# KiCad board led_mapper_850.kicad_pcb (continued)
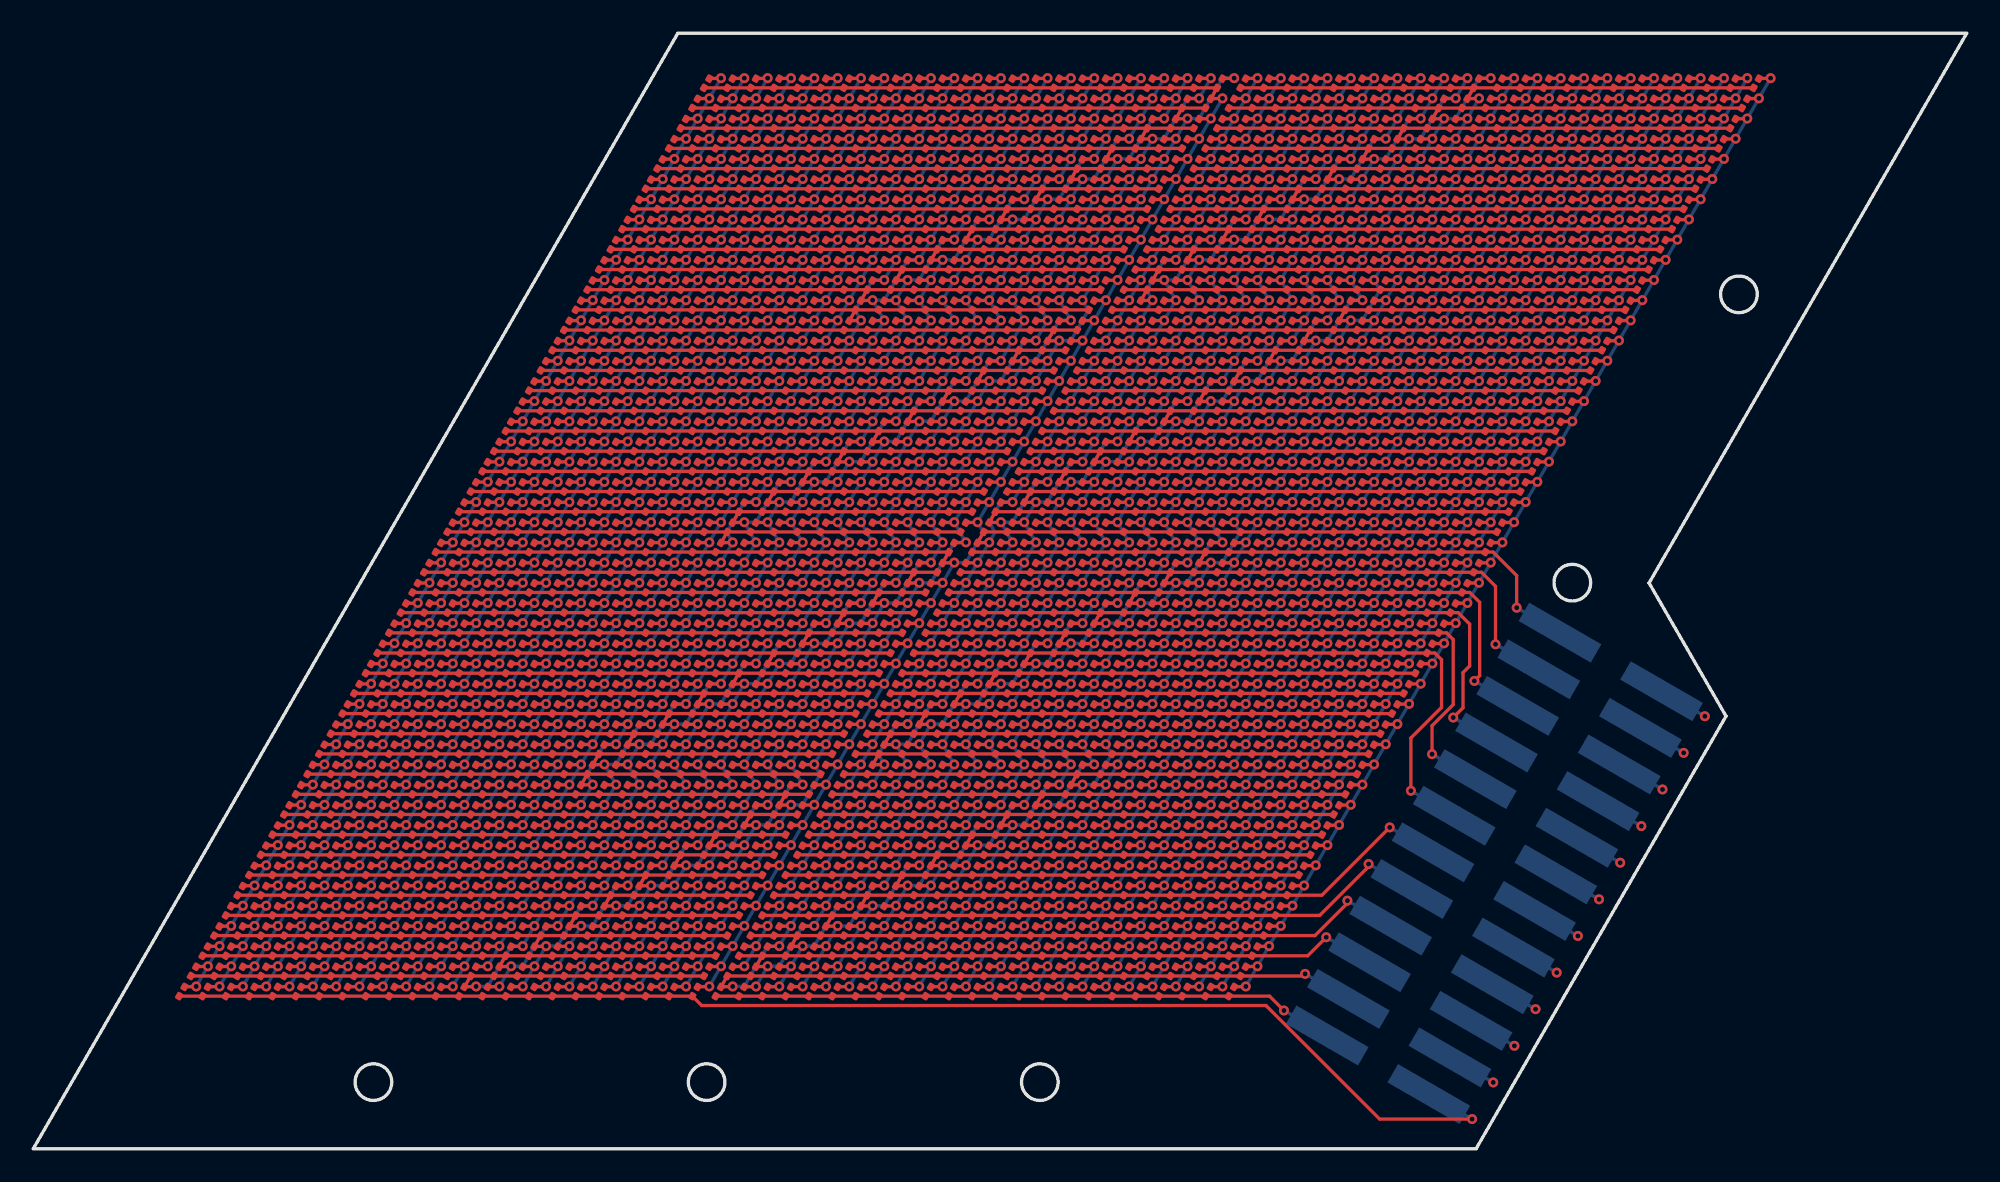
[diagram p0: board, top side]
## Placement (name value [footprint] x y rotation side) (continued)
D316  LED  [LED_0201_0603Metric_XINGLIGHT]  90.81 56.73 60 top
D317  LED  [LED_0201_0603Metric_XINGLIGHT]  92.21 56.73 60 top
D318  LED  [LED_0201_0603Metric_XINGLIGHT]  93.61 56.73 60 top
D319  LED  [LED_0201_0603Metric_XINGLIGHT]  95.01 56.73 60 top
D320  LED  [LED_0201_0603Metric_XINGLIGHT]  96.41 56.73 60 top
D321  LED  [LED_0201_0603Metric_XINGLIGHT]  97.81 56.73 60 top
D322  LED  [LED_0201_0603Metric_XINGLIGHT]  99.21 56.73 60 top
D323  LED  [LED_0201_0603Metric_XINGLIGHT]  35.51 55.51 60 top
D324  LED  [LED_0201_0603Metric_XINGLIGHT]  36.91 55.51 60 top
D325  LED  [LED_0201_0603Metric_XINGLIGHT]  38.31 55.51 60 top
D326  LED  [LED_0201_0603Metric_XINGLIGHT]  39.71 55.51 60 top
D327  LED  [LED_0201_0603Metric_XINGLIGHT]  41.11 55.51 60 top
D328  LED  [LED_0201_0603Metric_XINGLIGHT]  42.51 55.51 60 top
D329  LED  [LED_0201_0603Metric_XINGLIGHT]  43.91 55.51 60 top
D330  LED  [LED_0201_0603Metric_XINGLIGHT]  45.31 55.51 60 top
D331  LED  [LED_0201_0603Metric_XINGLIGHT]  46.71 55.51 60 top
D332  LED  [LED_0201_0603Metric_XINGLIGHT]  48.11 55.51 60 top
D333  LED  [LED_0201_0603Metric_XINGLIGHT]  49.51 55.51 60 top
D334  LED  [LED_0201_0603Metric_XINGLIGHT]  50.91 55.51 60 top
D335  LED  [LED_0201_0603Metric_XINGLIGHT]  52.31 55.51 60 top
D336  LED  [LED_0201_0603Metric_XINGLIGHT]  53.71 55.51 60 top
D337  LED  [LED_0201_0603Metric_XINGLIGHT]  55.11 55.51 60 top
D338  LED  [LED_0201_0603Metric_XINGLIGHT]  56.51 55.51 60 top
D339  LED  [LED_0201_0603Metric_XINGLIGHT]  57.91 55.51 60 top
D340  LED  [LED_0201_0603Metric_XINGLIGHT]  59.31 55.51 60 top
D341  LED  [LED_0201_0603Metric_XINGLIGHT]  60.71 55.51 60 top
D342  LED  [LED_0201_0603Metric_XINGLIGHT]  62.11 55.51 60 top
D343  LED  [LED_0201_0603Metric_XINGLIGHT]  63.51 55.51 60 top
D344  LED  [LED_0201_0603Metric_XINGLIGHT]  64.91 55.51 60 top
D345  LED  [LED_0201_0603Metric_XINGLIGHT]  66.31 55.51 60 top
D346  LED  [LED_0201_0603Metric_XINGLIGHT]  67.71 55.51 60 top
D347  LED  [LED_0201_0603Metric_XINGLIGHT]  69.11 55.51 60 top
D348  LED  [LED_0201_0603Metric_XINGLIGHT]  70.51 55.51 60 top
D349  LED  [LED_0201_0603Metric_XINGLIGHT]  71.91 55.51 60 top
D350  LED  [LED_0201_0603Metric_XINGLIGHT]  73.31 55.51 60 top
D351  LED  [LED_0201_0603Metric_XINGLIGHT]  74.71 55.51 60 top
D352  LED  [LED_0201_0603Metric_XINGLIGHT]  76.11 55.51 60 top
D353  LED  [LED_0201_0603Metric_XINGLIGHT]  77.51 55.51 60 top
D354  LED  [LED_0201_0603Metric_XINGLIGHT]  78.91 55.51 60 top
D355  LED  [LED_0201_0603Metric_XINGLIGHT]  80.31 55.51 60 top
D356  LED  [LED_0201_0603Metric_XINGLIGHT]  81.71 55.51 60 top
D357  LED  [LED_0201_0603Metric_XINGLIGHT]  83.11 55.51 60 top
D358  LED  [LED_0201_0603Metric_XINGLIGHT]  84.51 55.51 60 top
D359  LED  [LED_0201_0603Metric_XINGLIGHT]  85.91 55.51 60 top
D360  LED  [LED_0201_0603Metric_XINGLIGHT]  87.31 55.51 60 top
D361  LED  [LED_0201_0603Metric_XINGLIGHT]  88.71 55.51 60 top
D362  LED  [LED_0201_0603Metric_XINGLIGHT]  90.11 55.51 60 top
D363  LED  [LED_0201_0603Metric_XINGLIGHT]  91.51 55.51 60 top
D364  LED  [LED_0201_0603Metric_XINGLIGHT]  92.91 55.51 60 top
D365  LED  [LED_0201_0603Metric_XINGLIGHT]  94.31 55.51 60 top
D366  LED  [LED_0201_0603Metric_XINGLIGHT]  95.71 55.51 60 top
D367  LED  [LED_0201_0603Metric_XINGLIGHT]  97.11 55.51 60 top
D368  LED  [LED_0201_0603Metric_XINGLIGHT]  98.51 55.51 60 top
D369  LED  [LED_0201_0603Metric_XINGLIGHT]  34.81 54.3 60 top
D370  LED  [LED_0201_0603Metric_XINGLIGHT]  36.21 54.3 60 top
D371  LED  [LED_0201_0603Metric_XINGLIGHT]  37.61 54.3 60 top
D372  LED  [LED_0201_0603Metric_XINGLIGHT]  39.01 54.3 60 top
D373  LED  [LED_0201_0603Metric_XINGLIGHT]  40.41 54.3 60 top
D374  LED  [LED_0201_0603Metric_XINGLIGHT]  41.81 54.3 60 top
D375  LED  [LED_0201_0603Metric_XINGLIGHT]  43.21 54.3 60 top
D376  LED  [LED_0201_0603Metric_XINGLIGHT]  44.61 54.3 60 top
D377  LED  [LED_0201_0603Metric_XINGLIGHT]  46.01 54.3 60 top
D378  LED  [LED_0201_0603Metric_XINGLIGHT]  47.41 54.3 60 top
D379  LED  [LED_0201_0603Metric_XINGLIGHT]  48.81 54.3 60 top
D380  LED  [LED_0201_0603Metric_XINGLIGHT]  50.21 54.3 60 top
D381  LED  [LED_0201_0603Metric_XINGLIGHT]  51.61 54.3 60 top
D382  LED  [LED_0201_0603Metric_XINGLIGHT]  53.01 54.3 60 top
D383  LED  [LED_0201_0603Metric_XINGLIGHT]  54.41 54.3 60 top
D384  LED  [LED_0201_0603Metric_XINGLIGHT]  55.81 54.3 60 top
D385  LED  [LED_0201_0603Metric_XINGLIGHT]  57.21 54.3 60 top
D386  LED  [LED_0201_0603Metric_XINGLIGHT]  58.61 54.3 60 top
D387  LED  [LED_0201_0603Metric_XINGLIGHT]  60.01 54.3 60 top
D388  LED  [LED_0201_0603Metric_XINGLIGHT]  61.41 54.3 60 top
D389  LED  [LED_0201_0603Metric_XINGLIGHT]  62.81 54.3 60 top
D390  LED  [LED_0201_0603Metric_XINGLIGHT]  64.21 54.3 60 top
D391  LED  [LED_0201_0603Metric_XINGLIGHT]  65.61 54.3 60 top
D392  LED  [LED_0201_0603Metric_XINGLIGHT]  67.01 54.3 60 top
D393  LED  [LED_0201_0603Metric_XINGLIGHT]  68.41 54.3 60 top
D394  LED  [LED_0201_0603Metric_XINGLIGHT]  69.81 54.3 60 top
D395  LED  [LED_0201_0603Metric_XINGLIGHT]  71.21 54.3 60 top
D396  LED  [LED_0201_0603Metric_XINGLIGHT]  72.61 54.3 60 top
D397  LED  [LED_0201_0603Metric_XINGLIGHT]  74.01 54.3 60 top
D398  LED  [LED_0201_0603Metric_XINGLIGHT]  75.41 54.3 60 top
D399  LED  [LED_0201_0603Metric_XINGLIGHT]  76.81 54.3 60 top
D400  LED  [LED_0201_0603Metric_XINGLIGHT]  78.21 54.3 60 top
D401  LED  [LED_0201_0603Metric_XINGLIGHT]  79.61 54.3 60 top
D402  LED  [LED_0201_0603Metric_XINGLIGHT]  81.01 54.3 60 top
D403  LED  [LED_0201_0603Metric_XINGLIGHT]  82.41 54.3 60 top
D404  LED  [LED_0201_0603Metric_XINGLIGHT]  83.81 54.3 60 top
D405  LED  [LED_0201_0603Metric_XINGLIGHT]  85.21 54.3 60 top
D406  LED  [LED_0201_0603Metric_XINGLIGHT]  86.61 54.3 60 top
D407  LED  [LED_0201_0603Metric_XINGLIGHT]  88.01 54.3 60 top
D408  LED  [LED_0201_0603Metric_XINGLIGHT]  89.41 54.3 60 top
D409  LED  [LED_0201_0603Metric_XINGLIGHT]  90.81 54.3 60 top
D410  LED  [LED_0201_0603Metric_XINGLIGHT]  92.21 54.3 60 top
D411  LED  [LED_0201_0603Metric_XINGLIGHT]  93.61 54.3 60 top
D412  LED  [LED_0201_0603Metric_XINGLIGHT]  95.01 54.3 60 top
D413  LED  [LED_0201_0603Metric_XINGLIGHT]  96.41 54.3 60 top
D414  LED  [LED_0201_0603Metric_XINGLIGHT]  97.81 54.3 60 top
D415  LED  [LED_0201_0603Metric_XINGLIGHT]  34.11 53.09 60 top
D416  LED  [LED_0201_0603Metric_XINGLIGHT]  35.51 53.09 60 top
D417  LED  [LED_0201_0603Metric_XINGLIGHT]  36.91 53.09 60 top
D418  LED  [LED_0201_0603Metric_XINGLIGHT]  38.31 53.09 60 top
D419  LED  [LED_0201_0603Metric_XINGLIGHT]  39.71 53.09 60 top
D420  LED  [LED_0201_0603Metric_XINGLIGHT]  41.11 53.09 60 top
D421  LED  [LED_0201_0603Metric_XINGLIGHT]  42.51 53.09 60 top
D422  LED  [LED_0201_0603Metric_XINGLIGHT]  43.91 53.09 60 top
D423  LED  [LED_0201_0603Metric_XINGLIGHT]  45.31 53.09 60 top
D424  LED  [LED_0201_0603Metric_XINGLIGHT]  46.71 53.09 60 top
D425  LED  [LED_0201_0603Metric_XINGLIGHT]  48.11 53.09 60 top
D426  LED  [LED_0201_0603Metric_XINGLIGHT]  49.51 53.09 60 top
D427  LED  [LED_0201_0603Metric_XINGLIGHT]  50.91 53.09 60 top
D428  LED  [LED_0201_0603Metric_XINGLIGHT]  52.31 53.09 60 top
D429  LED  [LED_0201_0603Metric_XINGLIGHT]  53.71 53.09 60 top
D430  LED  [LED_0201_0603Metric_XINGLIGHT]  55.11 53.09 60 top
D431  LED  [LED_0201_0603Metric_XINGLIGHT]  56.51 53.09 60 top
D432  LED  [LED_0201_0603Metric_XINGLIGHT]  57.91 53.09 60 top
D433  LED  [LED_0201_0603Metric_XINGLIGHT]  59.31 53.09 60 top
D434  LED  [LED_0201_0603Metric_XINGLIGHT]  60.71 53.09 60 top
D435  LED  [LED_0201_0603Metric_XINGLIGHT]  62.11 53.09 60 top
D436  LED  [LED_0201_0603Metric_XINGLIGHT]  63.51 53.09 60 top
D437  LED  [LED_0201_0603Metric_XINGLIGHT]  64.91 53.09 60 top
D438  LED  [LED_0201_0603Metric_XINGLIGHT]  66.31 53.09 60 top
D439  LED  [LED_0201_0603Metric_XINGLIGHT]  67.71 53.09 60 top
D440  LED  [LED_0201_0603Metric_XINGLIGHT]  69.11 53.09 60 top
D441  LED  [LED_0201_0603Metric_XINGLIGHT]  70.51 53.09 60 top
D442  LED  [LED_0201_0603Metric_XINGLIGHT]  71.91 53.09 60 top
D443  LED  [LED_0201_0603Metric_XINGLIGHT]  73.31 53.09 60 top
D444  LED  [LED_0201_0603Metric_XINGLIGHT]  74.71 53.09 60 top
D445  LED  [LED_0201_0603Metric_XINGLIGHT]  76.11 53.09 60 top
D446  LED  [LED_0201_0603Metric_XINGLIGHT]  77.51 53.09 60 top
D447  LED  [LED_0201_0603Metric_XINGLIGHT]  78.91 53.09 60 top
D448  LED  [LED_0201_0603Metric_XINGLIGHT]  80.31 53.09 60 top
D449  LED  [LED_0201_0603Metric_XINGLIGHT]  81.71 53.09 60 top
D450  LED  [LED_0201_0603Metric_XINGLIGHT]  83.11 53.09 60 top
D451  LED  [LED_0201_0603Metric_XINGLIGHT]  84.51 53.09 60 top
D452  LED  [LED_0201_0603Metric_XINGLIGHT]  85.91 53.09 60 top
D453  LED  [LED_0201_0603Metric_XINGLIGHT]  87.31 53.09 60 top
D454  LED  [LED_0201_0603Metric_XINGLIGHT]  88.71 53.09 60 top
D455  LED  [LED_0201_0603Metric_XINGLIGHT]  90.11 53.09 60 top
D456  LED  [LED_0201_0603Metric_XINGLIGHT]  91.51 53.09 60 top
D457  LED  [LED_0201_0603Metric_XINGLIGHT]  92.91 53.09 60 top
D458  LED  [LED_0201_0603Metric_XINGLIGHT]  94.31 53.09 60 top
D459  LED  [LED_0201_0603Metric_XINGLIGHT]  95.71 53.09 60 top
D460  LED  [LED_0201_0603Metric_XINGLIGHT]  97.11 53.09 60 top
D461  LED  [LED_0201_0603Metric_XINGLIGHT]  33.41 51.88 60 top
D462  LED  [LED_0201_0603Metric_XINGLIGHT]  34.81 51.88 60 top
D463  LED  [LED_0201_0603Metric_XINGLIGHT]  36.21 51.88 60 top
D464  LED  [LED_0201_0603Metric_XINGLIGHT]  37.61 51.88 60 top
D465  LED  [LED_0201_0603Metric_XINGLIGHT]  39.01 51.88 60 top
D466  LED  [LED_0201_0603Metric_XINGLIGHT]  40.41 51.88 60 top
D467  LED  [LED_0201_0603Metric_XINGLIGHT]  41.81 51.88 60 top
D468  LED  [LED_0201_0603Metric_XINGLIGHT]  43.21 51.88 60 top
D469  LED  [LED_0201_0603Metric_XINGLIGHT]  44.61 51.88 60 top
D470  LED  [LED_0201_0603Metric_XINGLIGHT]  46.01 51.88 60 top
D471  LED  [LED_0201_0603Metric_XINGLIGHT]  47.41 51.88 60 top
D472  LED  [LED_0201_0603Metric_XINGLIGHT]  48.81 51.88 60 top
D473  LED  [LED_0201_0603Metric_XINGLIGHT]  50.21 51.88 60 top
D474  LED  [LED_0201_0603Metric_XINGLIGHT]  51.61 51.88 60 top
D475  LED  [LED_0201_0603Metric_XINGLIGHT]  53.01 51.88 60 top
D476  LED  [LED_0201_0603Metric_XINGLIGHT]  54.41 51.88 60 top
D477  LED  [LED_0201_0603Metric_XINGLIGHT]  55.81 51.88 60 top
D478  LED  [LED_0201_0603Metric_XINGLIGHT]  57.21 51.88 60 top
D479  LED  [LED_0201_0603Metric_XINGLIGHT]  58.61 51.88 60 top
D480  LED  [LED_0201_0603Metric_XINGLIGHT]  60.01 51.88 60 top
D481  LED  [LED_0201_0603Metric_XINGLIGHT]  61.41 51.88 60 top
D482  LED  [LED_0201_0603Metric_XINGLIGHT]  62.81 51.88 60 top
D483  LED  [LED_0201_0603Metric_XINGLIGHT]  64.21 51.88 60 top
D484  LED  [LED_0201_0603Metric_XINGLIGHT]  65.61 51.88 60 top
D485  LED  [LED_0201_0603Metric_XINGLIGHT]  67.01 51.88 60 top
D486  LED  [LED_0201_0603Metric_XINGLIGHT]  68.41 51.88 60 top
D487  LED  [LED_0201_0603Metric_XINGLIGHT]  69.81 51.88 60 top
D488  LED  [LED_0201_0603Metric_XINGLIGHT]  71.21 51.88 60 top
D489  LED  [LED_0201_0603Metric_XINGLIGHT]  72.61 51.88 60 top
D490  LED  [LED_0201_0603Metric_XINGLIGHT]  74.01 51.88 60 top
D491  LED  [LED_0201_0603Metric_XINGLIGHT]  75.41 51.88 60 top
D492  LED  [LED_0201_0603Metric_XINGLIGHT]  76.81 51.88 60 top
D493  LED  [LED_0201_0603Metric_XINGLIGHT]  78.21 51.88 60 top
D494  LED  [LED_0201_0603Metric_XINGLIGHT]  79.61 51.88 60 top
D495  LED  [LED_0201_0603Metric_XINGLIGHT]  81.01 51.88 60 top
D496  LED  [LED_0201_0603Metric_XINGLIGHT]  82.41 51.88 60 top
D497  LED  [LED_0201_0603Metric_XINGLIGHT]  83.81 51.88 60 top
D498  LED  [LED_0201_0603Metric_XINGLIGHT]  85.21 51.88 60 top
D499  LED  [LED_0201_0603Metric_XINGLIGHT]  86.61 51.88 60 top
D500  LED  [LED_0201_0603Metric_XINGLIGHT]  88.01 51.88 60 top
D501  LED  [LED_0201_0603Metric_XINGLIGHT]  89.41 51.88 60 top
D502  LED  [LED_0201_0603Metric_XINGLIGHT]  90.81 51.88 60 top
D503  LED  [LED_0201_0603Metric_XINGLIGHT]  92.21 51.88 60 top
D504  LED  [LED_0201_0603Metric_XINGLIGHT]  93.61 51.88 60 top
D505  LED  [LED_0201_0603Metric_XINGLIGHT]  95.01 51.88 60 top
D506  LED  [LED_0201_0603Metric_XINGLIGHT]  96.41 51.88 60 top
D507  LED  [LED_0201_0603Metric_XINGLIGHT]  32.71 50.66 60 top
D508  LED  [LED_0201_0603Metric_XINGLIGHT]  34.11 50.66 60 top
D509  LED  [LED_0201_0603Metric_XINGLIGHT]  35.51 50.66 60 top
D510  LED  [LED_0201_0603Metric_XINGLIGHT]  36.91 50.66 60 top
D511  LED  [LED_0201_0603Metric_XINGLIGHT]  38.31 50.66 60 top
D512  LED  [LED_0201_0603Metric_XINGLIGHT]  39.71 50.66 60 top
D513  LED  [LED_0201_0603Metric_XINGLIGHT]  41.11 50.66 60 top
D514  LED  [LED_0201_0603Metric_XINGLIGHT]  42.51 50.66 60 top
D515  LED  [LED_0201_0603Metric_XINGLIGHT]  43.91 50.66 60 top
D516  LED  [LED_0201_0603Metric_XINGLIGHT]  45.31 50.66 60 top
D517  LED  [LED_0201_0603Metric_XINGLIGHT]  46.71 50.66 60 top
D518  LED  [LED_0201_0603Metric_XINGLIGHT]  48.11 50.66 60 top
D519  LED  [LED_0201_0603Metric_XINGLIGHT]  49.51 50.66 60 top
D520  LED  [LED_0201_0603Metric_XINGLIGHT]  50.91 50.66 60 top
D521  LED  [LED_0201_0603Metric_XINGLIGHT]  52.31 50.66 60 top
D522  LED  [LED_0201_0603Metric_XINGLIGHT]  53.71 50.66 60 top
D523  LED  [LED_0201_0603Metric_XINGLIGHT]  55.11 50.66 60 top
D524  LED  [LED_0201_0603Metric_XINGLIGHT]  56.51 50.66 60 top
D525  LED  [LED_0201_0603Metric_XINGLIGHT]  57.91 50.66 60 top
D526  LED  [LED_0201_0603Metric_XINGLIGHT]  59.31 50.66 60 top
D527  LED  [LED_0201_0603Metric_XINGLIGHT]  60.71 50.66 60 top
D528  LED  [LED_0201_0603Metric_XINGLIGHT]  62.11 50.66 60 top
D529  LED  [LED_0201_0603Metric_XINGLIGHT]  63.51 50.66 60 top
D530  LED  [LED_0201_0603Metric_XINGLIGHT]  88.01 37.33 60 top
D531  LED  [LED_0201_0603Metric_XINGLIGHT]  86.61 37.33 60 top
D532  LED  [LED_0201_0603Metric_XINGLIGHT]  85.21 37.33 60 top
D533  LED  [LED_0201_0603Metric_XINGLIGHT]  83.81 37.33 60 top
D534  LED  [LED_0201_0603Metric_XINGLIGHT]  82.41 37.33 60 top
D535  LED  [LED_0201_0603Metric_XINGLIGHT]  81.01 37.33 60 top
D536  LED  [LED_0201_0603Metric_XINGLIGHT]  79.61 37.33 60 top
D537  LED  [LED_0201_0603Metric_XINGLIGHT]  78.21 37.33 60 top
D538  LED  [LED_0201_0603Metric_XINGLIGHT]  76.81 37.33 60 top
D539  LED  [LED_0201_0603Metric_XINGLIGHT]  75.41 37.33 60 top
D540  LED  [LED_0201_0603Metric_XINGLIGHT]  74.01 37.33 60 top
D541  LED  [LED_0201_0603Metric_XINGLIGHT]  72.61 37.33 60 top
D542  LED  [LED_0201_0603Metric_XINGLIGHT]  71.21 37.33 60 top
D543  LED  [LED_0201_0603Metric_XINGLIGHT]  69.81 37.33 60 top
D544  LED  [LED_0201_0603Metric_XINGLIGHT]  68.41 37.33 60 top
D545  LED  [LED_0201_0603Metric_XINGLIGHT]  67.01 37.33 60 top
D546  LED  [LED_0201_0603Metric_XINGLIGHT]  65.61 37.33 60 top
D547  LED  [LED_0201_0603Metric_XINGLIGHT]  64.21 37.33 60 top
D548  LED  [LED_0201_0603Metric_XINGLIGHT]  62.81 37.33 60 top
D549  LED  [LED_0201_0603Metric_XINGLIGHT]  61.41 37.33 60 top
D550  LED  [LED_0201_0603Metric_XINGLIGHT]  60.01 37.33 60 top
D551  LED  [LED_0201_0603Metric_XINGLIGHT]  58.61 37.33 60 top
D552  LED  [LED_0201_0603Metric_XINGLIGHT]  57.21 37.33 60 top
D553  LED  [LED_0201_0603Metric_XINGLIGHT]  55.81 37.33 60 top
D554  LED  [LED_0201_0603Metric_XINGLIGHT]  54.41 37.33 60 top
D555  LED  [LED_0201_0603Metric_XINGLIGHT]  53.01 37.33 60 top
D556  LED  [LED_0201_0603Metric_XINGLIGHT]  51.61 37.33 60 top
D557  LED  [LED_0201_0603Metric_XINGLIGHT]  50.21 37.33 60 top
D558  LED  [LED_0201_0603Metric_XINGLIGHT]  48.81 37.33 60 top
D559  LED  [LED_0201_0603Metric_XINGLIGHT]  47.41 37.33 60 top
D560  LED  [LED_0201_0603Metric_XINGLIGHT]  46.01 37.33 60 top
D561  LED  [LED_0201_0603Metric_XINGLIGHT]  44.61 37.33 60 top
D562  LED  [LED_0201_0603Metric_XINGLIGHT]  43.21 37.33 60 top
D563  LED  [LED_0201_0603Metric_XINGLIGHT]  41.81 37.33 60 top
D564  LED  [LED_0201_0603Metric_XINGLIGHT]  40.41 37.33 60 top
D565  LED  [LED_0201_0603Metric_XINGLIGHT]  39.01 37.33 60 top
D566  LED  [LED_0201_0603Metric_XINGLIGHT]  37.61 37.33 60 top
D567  LED  [LED_0201_0603Metric_XINGLIGHT]  36.21 37.33 60 top
D568  LED  [LED_0201_0603Metric_XINGLIGHT]  34.81 37.33 60 top
D569  LED  [LED_0201_0603Metric_XINGLIGHT]  33.41 37.33 60 top
D570  LED  [LED_0201_0603Metric_XINGLIGHT]  32.01 37.33 60 top
D571  LED  [LED_0201_0603Metric_XINGLIGHT]  30.61 37.33 60 top
D572  LED  [LED_0201_0603Metric_XINGLIGHT]  29.21 37.33 60 top
D573  LED  [LED_0201_0603Metric_XINGLIGHT]  27.81 37.33 60 top
D574  LED  [LED_0201_0603Metric_XINGLIGHT]  26.41 37.33 60 top
D575  LED  [LED_0201_0603Metric_XINGLIGHT]  25.01 37.33 60 top
D576  LED  [LED_0201_0603Metric_XINGLIGHT]  88.71 38.54 60 top
D577  LED  [LED_0201_0603Metric_XINGLIGHT]  87.31 38.54 60 top
D578  LED  [LED_0201_0603Metric_XINGLIGHT]  85.91 38.54 60 top
D579  LED  [LED_0201_0603Metric_XINGLIGHT]  84.51 38.54 60 top
D580  LED  [LED_0201_0603Metric_XINGLIGHT]  83.11 38.54 60 top
D581  LED  [LED_0201_0603Metric_XINGLIGHT]  81.71 38.54 60 top
D582  LED  [LED_0201_0603Metric_XINGLIGHT]  80.31 38.54 60 top
D583  LED  [LED_0201_0603Metric_XINGLIGHT]  78.91 38.54 60 top
D584  LED  [LED_0201_0603Metric_XINGLIGHT]  77.51 38.54 60 top
D585  LED  [LED_0201_0603Metric_XINGLIGHT]  76.11 38.54 60 top
D586  LED  [LED_0201_0603Metric_XINGLIGHT]  74.71 38.54 60 top
D587  LED  [LED_0201_0603Metric_XINGLIGHT]  73.31 38.54 60 top
D588  LED  [LED_0201_0603Metric_XINGLIGHT]  71.91 38.54 60 top
D589  LED  [LED_0201_0603Metric_XINGLIGHT]  70.51 38.54 60 top
D590  LED  [LED_0201_0603Metric_XINGLIGHT]  69.11 38.54 60 top
D591  LED  [LED_0201_0603Metric_XINGLIGHT]  67.71 38.54 60 top
D592  LED  [LED_0201_0603Metric_XINGLIGHT]  66.31 38.54 60 top
D593  LED  [LED_0201_0603Metric_XINGLIGHT]  64.91 38.54 60 top
D594  LED  [LED_0201_0603Metric_XINGLIGHT]  63.51 38.54 60 top
D595  LED  [LED_0201_0603Metric_XINGLIGHT]  62.11 38.54 60 top
D596  LED  [LED_0201_0603Metric_XINGLIGHT]  60.71 38.54 60 top
D597  LED  [LED_0201_0603Metric_XINGLIGHT]  59.31 38.54 60 top
D598  LED  [LED_0201_0603Metric_XINGLIGHT]  57.91 38.54 60 top
D599  LED  [LED_0201_0603Metric_XINGLIGHT]  56.51 38.54 60 top
D600  LED  [LED_0201_0603Metric_XINGLIGHT]  55.11 38.54 60 top
D601  LED  [LED_0201_0603Metric_XINGLIGHT]  53.71 38.54 60 top
D602  LED  [LED_0201_0603Metric_XINGLIGHT]  52.31 38.54 60 top
D603  LED  [LED_0201_0603Metric_XINGLIGHT]  50.91 38.54 60 top
D604  LED  [LED_0201_0603Metric_XINGLIGHT]  49.51 38.54 60 top
D605  LED  [LED_0201_0603Metric_XINGLIGHT]  48.11 38.54 60 top
D606  LED  [LED_0201_0603Metric_XINGLIGHT]  46.71 38.54 60 top
D607  LED  [LED_0201_0603Metric_XINGLIGHT]  45.31 38.54 60 top
D608  LED  [LED_0201_0603Metric_XINGLIGHT]  43.91 38.54 60 top
D609  LED  [LED_0201_0603Metric_XINGLIGHT]  42.51 38.54 60 top
D610  LED  [LED_0201_0603Metric_XINGLIGHT]  41.11 38.54 60 top
D611  LED  [LED_0201_0603Metric_XINGLIGHT]  39.71 38.54 60 top
D612  LED  [LED_0201_0603Metric_XINGLIGHT]  38.31 38.54 60 top
D613  LED  [LED_0201_0603Metric_XINGLIGHT]  36.91 38.54 60 top
D614  LED  [LED_0201_0603Metric_XINGLIGHT]  35.51 38.54 60 top
D615  LED  [LED_0201_0603Metric_XINGLIGHT]  34.11 38.54 60 top
D616  LED  [LED_0201_0603Metric_XINGLIGHT]  32.71 38.54 60 top
D617  LED  [LED_0201_0603Metric_XINGLIGHT]  31.31 38.54 60 top
D618  LED  [LED_0201_0603Metric_XINGLIGHT]  29.91 38.54 60 top
D619  LED  [LED_0201_0603Metric_XINGLIGHT]  28.51 38.54 60 top
D620  LED  [LED_0201_0603Metric_XINGLIGHT]  27.11 38.54 60 top
D621  LED  [LED_0201_0603Metric_XINGLIGHT]  25.71 38.54 60 top
D622  LED  [LED_0201_0603Metric_XINGLIGHT]  89.41 39.75 60 top
D623  LED  [LED_0201_0603Metric_XINGLIGHT]  88.01 39.75 60 top
D624  LED  [LED_0201_0603Metric_XINGLIGHT]  86.61 39.75 60 top
D625  LED  [LED_0201_0603Metric_XINGLIGHT]  85.21 39.75 60 top
D626  LED  [LED_0201_0603Metric_XINGLIGHT]  83.81 39.75 60 top
D627  LED  [LED_0201_0603Metric_XINGLIGHT]  82.41 39.75 60 top
D628  LED  [LED_0201_0603Metric_XINGLIGHT]  81.01 39.75 60 top
D629  LED  [LED_0201_0603Metric_XINGLIGHT]  79.61 39.75 60 top
D630  LED  [LED_0201_0603Metric_XINGLIGHT]  78.21 39.75 60 top
D631  LED  [LED_0201_0603Metric_XINGLIGHT]  76.81 39.75 60 top
D632  LED  [LED_0201_0603Metric_XINGLIGHT]  75.41 39.75 60 top
D633  LED  [LED_0201_0603Metric_XINGLIGHT]  74.01 39.75 60 top
D634  LED  [LED_0201_0603Metric_XINGLIGHT]  72.61 39.75 60 top
D635  LED  [LED_0201_0603Metric_XINGLIGHT]  71.21 39.75 60 top
D636  LED  [LED_0201_0603Metric_XINGLIGHT]  69.81 39.75 60 top
D637  LED  [LED_0201_0603Metric_XINGLIGHT]  68.41 39.75 60 top
D638  LED  [LED_0201_0603Metric_XINGLIGHT]  67.01 39.75 60 top
D639  LED  [LED_0201_0603Metric_XINGLIGHT]  65.61 39.75 60 top
D640  LED  [LED_0201_0603Metric_XINGLIGHT]  64.21 39.75 60 top
D641  LED  [LED_0201_0603Metric_XINGLIGHT]  62.81 39.75 60 top
D642  LED  [LED_0201_0603Metric_XINGLIGHT]  61.41 39.75 60 top
D643  LED  [LED_0201_0603Metric_XINGLIGHT]  60.01 39.75 60 top
D644  LED  [LED_0201_0603Metric_XINGLIGHT]  58.61 39.75 60 top
D645  LED  [LED_0201_0603Metric_XINGLIGHT]  57.21 39.75 60 top
D646  LED  [LED_0201_0603Metric_XINGLIGHT]  55.81 39.75 60 top
D647  LED  [LED_0201_0603Metric_XINGLIGHT]  54.41 39.75 60 top
D648  LED  [LED_0201_0603Metric_XINGLIGHT]  53.01 39.75 60 top
D649  LED  [LED_0201_0603Metric_XINGLIGHT]  51.61 39.75 60 top
D650  LED  [LED_0201_0603Metric_XINGLIGHT]  50.21 39.75 60 top
D651  LED  [LED_0201_0603Metric_XINGLIGHT]  48.81 39.75 60 top
D652  LED  [LED_0201_0603Metric_XINGLIGHT]  47.41 39.75 60 top
D653  LED  [LED_0201_0603Metric_XINGLIGHT]  46.01 39.75 60 top
D654  LED  [LED_0201_0603Metric_XINGLIGHT]  44.61 39.75 60 top
D655  LED  [LED_0201_0603Metric_XINGLIGHT]  43.21 39.75 60 top
D656  LED  [LED_0201_0603Metric_XINGLIGHT]  41.81 39.75 60 top
D657  LED  [LED_0201_0603Metric_XINGLIGHT]  40.41 39.75 60 top
D658  LED  [LED_0201_0603Metric_XINGLIGHT]  39.01 39.75 60 top
D659  LED  [LED_0201_0603Metric_XINGLIGHT]  37.61 39.75 60 top
D660  LED  [LED_0201_0603Metric_XINGLIGHT]  36.21 39.75 60 top
D661  LED  [LED_0201_0603Metric_XINGLIGHT]  34.81 39.75 60 top
D662  LED  [LED_0201_0603Metric_XINGLIGHT]  33.41 39.75 60 top
D663  LED  [LED_0201_0603Metric_XINGLIGHT]  32.01 39.75 60 top
D664  LED  [LED_0201_0603Metric_XINGLIGHT]  30.61 39.75 60 top
D665  LED  [LED_0201_0603Metric_XINGLIGHT]  29.21 39.75 60 top
D666  LED  [LED_0201_0603Metric_XINGLIGHT]  27.81 39.75 60 top
D667  LED  [LED_0201_0603Metric_XINGLIGHT]  26.41 39.75 60 top
D668  LED  [LED_0201_0603Metric_XINGLIGHT]  90.11 40.96 60 top
D669  LED  [LED_0201_0603Metric_XINGLIGHT]  88.71 40.96 60 top
D670  LED  [LED_0201_0603Metric_XINGLIGHT]  87.31 40.96 60 top
D671  LED  [LED_0201_0603Metric_XINGLIGHT]  85.91 40.96 60 top
D672  LED  [LED_0201_0603Metric_XINGLIGHT]  84.51 40.96 60 top
D673  LED  [LED_0201_0603Metric_XINGLIGHT]  83.11 40.96 60 top
D674  LED  [LED_0201_0603Metric_XINGLIGHT]  81.71 40.96 60 top
D675  LED  [LED_0201_0603Metric_XINGLIGHT]  80.31 40.96 60 top
D676  LED  [LED_0201_0603Metric_XINGLIGHT]  78.91 40.96 60 top
D677  LED  [LED_0201_0603Metric_XINGLIGHT]  77.51 40.96 60 top
D678  LED  [LED_0201_0603Metric_XINGLIGHT]  76.11 40.96 60 top
D679  LED  [LED_0201_0603Metric_XINGLIGHT]  74.71 40.96 60 top
D680  LED  [LED_0201_0603Metric_XINGLIGHT]  73.31 40.96 60 top
D681  LED  [LED_0201_0603Metric_XINGLIGHT]  71.91 40.96 60 top
D682  LED  [LED_0201_0603Metric_XINGLIGHT]  70.51 40.96 60 top
D683  LED  [LED_0201_0603Metric_XINGLIGHT]  69.11 40.96 60 top
D684  LED  [LED_0201_0603Metric_XINGLIGHT]  67.71 40.96 60 top
D685  LED  [LED_0201_0603Metric_XINGLIGHT]  66.31 40.96 60 top
D686  LED  [LED_0201_0603Metric_XINGLIGHT]  64.91 40.96 60 top
D687  LED  [LED_0201_0603Metric_XINGLIGHT]  63.51 40.96 60 top
D688  LED  [LED_0201_0603Metric_XINGLIGHT]  62.11 40.96 60 top
D689  LED  [LED_0201_0603Metric_XINGLIGHT]  60.71 40.96 60 top
D690  LED  [LED_0201_0603Metric_XINGLIGHT]  59.31 40.96 60 top
D691  LED  [LED_0201_0603Metric_XINGLIGHT]  57.91 40.96 60 top
D692  LED  [LED_0201_0603Metric_XINGLIGHT]  56.51 40.96 60 top
D693  LED  [LED_0201_0603Metric_XINGLIGHT]  55.11 40.96 60 top
D694  LED  [LED_0201_0603Metric_XINGLIGHT]  53.71 40.96 60 top
D695  LED  [LED_0201_0603Metric_XINGLIGHT]  52.31 40.96 60 top
D696  LED  [LED_0201_0603Metric_XINGLIGHT]  50.91 40.96 60 top
D697  LED  [LED_0201_0603Metric_XINGLIGHT]  49.51 40.96 60 top
D698  LED  [LED_0201_0603Metric_XINGLIGHT]  48.11 40.96 60 top
D699  LED  [LED_0201_0603Metric_XINGLIGHT]  46.71 40.96 60 top
D700  LED  [LED_0201_0603Metric_XINGLIGHT]  45.31 40.96 60 top
D701  LED  [LED_0201_0603Metric_XINGLIGHT]  43.91 40.96 60 top
D702  LED  [LED_0201_0603Metric_XINGLIGHT]  42.51 40.96 60 top
D703  LED  [LED_0201_0603Metric_XINGLIGHT]  41.11 40.96 60 top
D704  LED  [LED_0201_0603Metric_XINGLIGHT]  39.71 40.96 60 top
D705  LED  [LED_0201_0603Metric_XINGLIGHT]  38.31 40.96 60 top
D706  LED  [LED_0201_0603Metric_XINGLIGHT]  36.91 40.96 60 top
D707  LED  [LED_0201_0603Metric_XINGLIGHT]  35.51 40.96 60 top
D708  LED  [LED_0201_0603Metric_XINGLIGHT]  34.11 40.96 60 top
D709  LED  [LED_0201_0603Metric_XINGLIGHT]  32.71 40.96 60 top
D710  LED  [LED_0201_0603Metric_XINGLIGHT]  31.31 40.96 60 top
D711  LED  [LED_0201_0603Metric_XINGLIGHT]  29.91 40.96 60 top
D712  LED  [LED_0201_0603Metric_XINGLIGHT]  28.51 40.96 60 top
D713  LED  [LED_0201_0603Metric_XINGLIGHT]  27.11 40.96 60 top
D714  LED  [LED_0201_0603Metric_XINGLIGHT]  90.81 42.18 60 top
D715  LED  [LED_0201_0603Metric_XINGLIGHT]  89.41 42.18 60 top
D716  LED  [LED_0201_0603Metric_XINGLIGHT]  88.01 42.18 60 top
D717  LED  [LED_0201_0603Metric_XINGLIGHT]  86.61 42.18 60 top
D718  LED  [LED_0201_0603Metric_XINGLIGHT]  85.21 42.18 60 top
D719  LED  [LED_0201_0603Metric_XINGLIGHT]  83.81 42.18 60 top
D720  LED  [LED_0201_0603Metric_XINGLIGHT]  82.41 42.18 60 top
D721  LED  [LED_0201_0603Metric_XINGLIGHT]  81.01 42.18 60 top
D722  LED  [LED_0201_0603Metric_XINGLIGHT]  79.61 42.18 60 top
D723  LED  [LED_0201_0603Metric_XINGLIGHT]  78.21 42.18 60 top
D724  LED  [LED_0201_0603Metric_XINGLIGHT]  76.81 42.18 60 top
D725  LED  [LED_0201_0603Metric_XINGLIGHT]  75.41 42.18 60 top
D726  LED  [LED_0201_0603Metric_XINGLIGHT]  74.01 42.18 60 top
D727  LED  [LED_0201_0603Metric_XINGLIGHT]  72.61 42.18 60 top
D728  LED  [LED_0201_0603Metric_XINGLIGHT]  71.21 42.18 60 top
D729  LED  [LED_0201_0603Metric_XINGLIGHT]  69.81 42.18 60 top
D730  LED  [LED_0201_0603Metric_XINGLIGHT]  68.41 42.18 60 top
D731  LED  [LED_0201_0603Metric_XINGLIGHT]  67.01 42.18 60 top
D732  LED  [LED_0201_0603Metric_XINGLIGHT]  65.61 42.18 60 top
D733  LED  [LED_0201_0603Metric_XINGLIGHT]  64.21 42.18 60 top
D734  LED  [LED_0201_0603Metric_XINGLIGHT]  62.81 42.18 60 top
D735  LED  [LED_0201_0603Metric_XINGLIGHT]  61.41 42.18 60 top
D736  LED  [LED_0201_0603Metric_XINGLIGHT]  60.01 42.18 60 top
D737  LED  [LED_0201_0603Metric_XINGLIGHT]  58.61 42.18 60 top
D738  LED  [LED_0201_0603Metric_XINGLIGHT]  57.21 42.18 60 top
D739  LED  [LED_0201_0603Metric_XINGLIGHT]  55.81 42.18 60 top
D740  LED  [LED_0201_0603Metric_XINGLIGHT]  54.41 42.18 60 top
D741  LED  [LED_0201_0603Metric_XINGLIGHT]  53.01 42.18 60 top
D742  LED  [LED_0201_0603Metric_XINGLIGHT]  51.61 42.18 60 top
D743  LED  [LED_0201_0603Metric_XINGLIGHT]  50.21 42.18 60 top
D744  LED  [LED_0201_0603Metric_XINGLIGHT]  48.81 42.18 60 top
D745  LED  [LED_0201_0603Metric_XINGLIGHT]  47.41 42.18 60 top
D746  LED  [LED_0201_0603Metric_XINGLIGHT]  46.01 42.18 60 top
D747  LED  [LED_0201_0603Metric_XINGLIGHT]  44.61 42.18 60 top
D748  LED  [LED_0201_0603Metric_XINGLIGHT]  43.21 42.18 60 top
D749  LED  [LED_0201_0603Metric_XINGLIGHT]  41.81 42.18 60 top
D750  LED  [LED_0201_0603Metric_XINGLIGHT]  40.41 42.18 60 top
D751  LED  [LED_0201_0603Metric_XINGLIGHT]  39.01 42.18 60 top
D752  LED  [LED_0201_0603Metric_XINGLIGHT]  37.61 42.18 60 top
D753  LED  [LED_0201_0603Metric_XINGLIGHT]  36.21 42.18 60 top
D754  LED  [LED_0201_0603Metric_XINGLIGHT]  34.81 42.18 60 top
D755  LED  [LED_0201_0603Metric_XINGLIGHT]  33.41 42.18 60 top
D756  LED  [LED_0201_0603Metric_XINGLIGHT]  32.01 42.18 60 top
D757  LED  [LED_0201_0603Metric_XINGLIGHT]  30.61 42.18 60 top
D758  LED  [LED_0201_0603Metric_XINGLIGHT]  29.21 42.18 60 top
D759  LED  [LED_0201_0603Metric_XINGLIGHT]  27.81 42.18 60 top
D760  LED  [LED_0201_0603Metric_XINGLIGHT]  91.51 43.39 60 top
D761  LED  [LED_0201_0603Metric_XINGLIGHT]  90.11 43.39 60 top
D762  LED  [LED_0201_0603Metric_XINGLIGHT]  88.71 43.39 60 top
D763  LED  [LED_0201_0603Metric_XINGLIGHT]  87.31 43.39 60 top
D764  LED  [LED_0201_0603Metric_XINGLIGHT]  85.91 43.39 60 top
D765  LED  [LED_0201_0603Metric_XINGLIGHT]  84.51 43.39 60 top
D766  LED  [LED_0201_0603Metric_XINGLIGHT]  83.11 43.39 60 top
D767  LED  [LED_0201_0603Metric_XINGLIGHT]  81.71 43.39 60 top
D768  LED  [LED_0201_0603Metric_XINGLIGHT]  80.31 43.39 60 top
D769  LED  [LED_0201_0603Metric_XINGLIGHT]  78.91 43.39 60 top
D770  LED  [LED_0201_0603Metric_XINGLIGHT]  77.51 43.39 60 top
D771  LED  [LED_0201_0603Metric_XINGLIGHT]  76.11 43.39 60 top
D772  LED  [LED_0201_0603Metric_XINGLIGHT]  74.71 43.39 60 top
D773  LED  [LED_0201_0603Metric_XINGLIGHT]  73.31 43.39 60 top
D774  LED  [LED_0201_0603Metric_XINGLIGHT]  71.91 43.39 60 top
D775  LED  [LED_0201_0603Metric_XINGLIGHT]  70.51 43.39 60 top
D776  LED  [LED_0201_0603Metric_XINGLIGHT]  69.11 43.39 60 top
D777  LED  [LED_0201_0603Metric_XINGLIGHT]  67.71 43.39 60 top
D778  LED  [LED_0201_0603Metric_XINGLIGHT]  66.31 43.39 60 top
D779  LED  [LED_0201_0603Metric_XINGLIGHT]  64.91 43.39 60 top
D780  LED  [LED_0201_0603Metric_XINGLIGHT]  63.51 43.39 60 top
D781  LED  [LED_0201_0603Metric_XINGLIGHT]  62.11 43.39 60 top
D782  LED  [LED_0201_0603Metric_XINGLIGHT]  60.71 43.39 60 top
D783  LED  [LED_0201_0603Metric_XINGLIGHT]  59.31 43.39 60 top
D784  LED  [LED_0201_0603Metric_XINGLIGHT]  57.91 43.39 60 top
D785  LED  [LED_0201_0603Metric_XINGLIGHT]  56.51 43.39 60 top
D786  LED  [LED_0201_0603Metric_XINGLIGHT]  55.11 43.39 60 top
D787  LED  [LED_0201_0603Metric_XINGLIGHT]  53.71 43.39 60 top
